# Altium PCB Prom21_Oculink_GPU_Ver0.1.PcbDoc (part 2 of 2)
Units mm, origin at the board's own origin, x right, y up, seen from the top; angles counter-clockwise.
Board outline 61.67 x 99.98 mm, 6 copper layers (Top Layer 1, Layer 1, Top Layer, Bottom Layer, Layer 2, Bottom Layer 1), stack 1.591 mm thick; 308 components, 320 nets, 1711 pads, 0 vias.
Unrouted connection lines stored in the file: 1033.
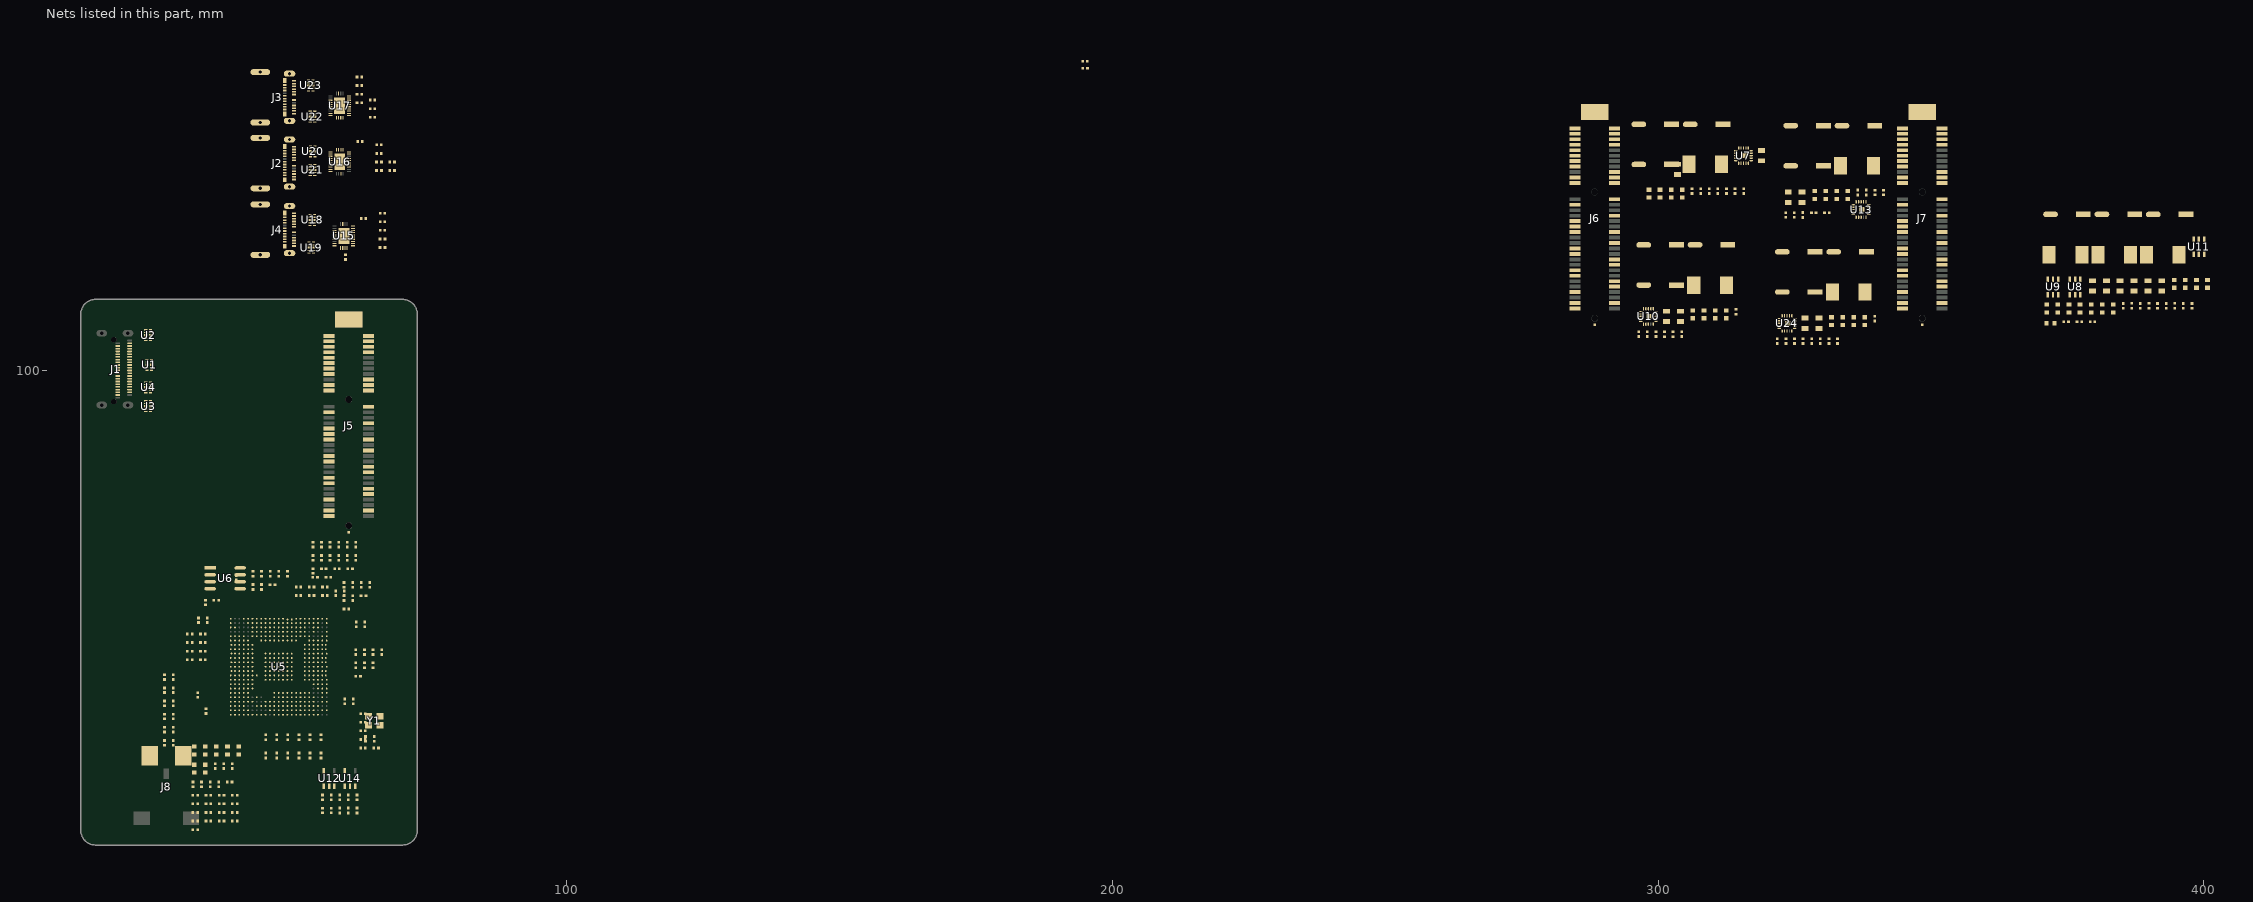
[diagram p4: the nets of this part, all layers, seen from the top]

## Part data
C1 C2 C3 C4 C5 C6 C7 C8 C9 C10 C11 C12 C13 C14 C15 C16 C17 C18 C19 C20 C21 C22 C23 C24 C25 C26 C27 C28 C29 C30 C31 C32 C33 C34 C35 C36 C37 C38 C39 C40 C41 C42 C43 C44 C45 C46 C47 C48 C49 C50 C51 C52 C53 C54 C55 C56 C57 C58 C59 C60 C61 C62 C63 C64 C65 C66 C67 C68 C69 C70 C71 C72 C73 C74 C75 C76 C77 C78 C79 C80 C81 C82 C83 C84 C85 C86 C87 C88 C89 C90 C91 C92 C93 C94 C95 C96 C97 C98 C99 C100 C101 C102 C103 C104 C105 C106 C107 C108 C109 C110 C111 C112 C113 C114 C115 C116 C117 C118 C119 C120 C121 C122 C123 C124 C125 C126 C127 C128 C129 C130 C131 C132 C133 C134 C135 C136 C137 C138 C139 C140 C141 C142 C143 C144 C145 C146 C147 C148 C149 C150: library part C, "无极性贴片电容", BOM名称=无极性贴片电容, 学习资源=www.ooocke.com, 材质=X7R, 版权归属=源创客
E1 E2 E3 E4 E5 E6 E7 E8 E9 E10 E11 E12 E13 E14 E15: library part C-CAP, "贴片电解电容", BOM名称=直插电解电容, 学习资源=www.ooocke.com, 版权归属=源创客
J2 J3 J4: library part "Typec 24p", "USB-C (USB TYPE-C) USB 3.2 Gen 2 (USB 3.1 Gen 2, Superspeed + (USB 3.1)) Receptacle Connector 24 Position Surface Mount, Right Angle; Through Hole", Package=None, Check_prices=https://www.snapeda.com/parts/1054500101/Molex/view-part/?ref=eda, MF=Molex, MP=1054500101, SnapEDA_Link=https://www.snapeda.com/parts/1054500101/Molex/view-part/?ref=snap
L1 L2 L3 L4 L5 L6 L7: library part L, "小功率贴片电感", BOM名称=小功率贴片电感, 学习资源=www.ooocke.com, 版权归属=源创客
R1 R2 R3 R4 R5 R6 R7 R8 R9 R10 R11 R12 R13 R14 R15 R16 R17 R18 R19 R20 R21 R22 R23 R24 R25 R26 R27 R28 R29 R30 R31 R32 R33 R34 R35 R36 R37 R38 R39 R40 R41 R42 R43 R44 R45 R46 R47 R48 R49 R50 R51 R52 R53 R54 R55 R56 R57 R58 R59 R60 R61 R62 R63 R64 R65 R66 R67 R68 R69 R70 R71 R72 R73 R74 R75 R76 R77 R78 R79 R80 R81 R82 R83 R84 R85 R86 R87 R88 R89 R90 R91 R92 R93 R94 R95 R96 R97 R98 R99 R100 R101 R102: library part R, "贴片电阻", BOM名称=贴片电阻, 学习资源=www.ooocke.com, 版权归属=源创客
U1 U2 U3 U4: library part TPD4E02B04, "ESD"
U5: "AMD B650", AddInBom=yes, ConvertToPcb=yes, Device=PROM21, FootprintName=PROM21, Relevance=|, SymbolName=PROM21
U6: library part P25D40H
U7 U10 U13 U24: "功能类型:降压型;输出类型:可调;输入电压:4.5V~18V;输出电压:600mV~5.5V;输出电流(最大值):12A;", Input Voltage=4.5V~18V, JLCPCB Part Class=扩展库, Manufacturer=TI(德州仪器), Operating Temperature=-40℃~+125℃@(TJ), Output Current (Max)=12A, Output Voltage=600mV~5.5V, Switching Frequency=500kHz, AddInBom=yes, ConvertToPcb=yes, Datasheet=https://www.ti.com/cn/lit/gpn/tps56c230, Device=TPS56C230RJER, FootprintName=VQFN-20_L3.0-W3.0-P0.45-TL-EP_TI_RJE, Function=降压型, LCSC Part Name=TPS56C230RJER, ManufacturerPart=TPS56C230RJER, ModelId=a0d54152b84047e092cea8f9e273e78e, ModelName=VQFN-20_L3.0-W3.0-P0.45-TL-EP_TI_RJE, ModelTransform=118.8974,118.8974,0,0,0,0,0,0,0, Number of Outputs=1, Output Type=可调, Supplier=LCSC, Supplier Footprint=VQFN-20-EP(3x3), SupplierPart=C1849534, Switch tube (built-in/external)=内置, Symbol=TPS56C230RJER, Synchronous Rectification=是, Topology=降压式
U8 U9 U11: "功能类型:降压型;输出类型:可调;输入电压:4.5V~17V;输出电压:600mV~7V;输出电流(最大值):5A;", Input Voltage=4.5V~17V, JLCPCB Part Class=扩展库, Manufacturer=TI(德州仪器), Operating Temperature=-40℃~+125℃@(TJ), Output Current (Max)=5A, Output Voltage=600mV~7V, Switching Frequency=500kHz, AddInBom=yes, ConvertToPcb=yes, Device=TPS565201DDCR, FootprintName=TSOT-23-6_L2.9-W1.6-P0.95-LS2.8-BL, Function=降压型, LCSC Part Name=TPS565201DDCR, ManufacturerPart=TPS565201DDCR, ModelId=2c4039b5b88644c1bda4b4ba9e971667, ModelName=TSOT-23-6_L2.9-W1.6-H1.1-LS2.8-P0.95, ModelTransform=110.236,114.173,0,90,0,0,0,0,0, Number of Outputs=1, Output Type=可调, Supplier=LCSC, Supplier Footprint=TSOT-23-6, SupplierPart=C327676, Switch tube (built-in/external)=内置, SymbolName=TPS565201DDCR, Synchronous Rectification=是, Topology=降压式
U12 U14: library part LP5907_MFX, "SOT-23-5"
U18 U19 U20 U21 U22 U23: "ESD"
Y1: library part Crystal

## Nets (pads, with @x,y where several pads share a name; then routed paths per layer and width w, separated by ;. In a path a pad name is that pad's centre, name@x,y a point inside that pad or via, vN(x,y) a via of type N, cw(c..) or ccw(c..) an arc to the next point about the centre after c; other vN are vias at no path point)
BP_TYPE: J1.B9 R1.2
CAP_DPE_TX0_N: C45.2 U5.K23
CAP_DPE_TX0_P: C44.2 U5.K22
CAP_DPE_TX1_N: C47.2 U5.L23
CAP_DPE_TX1_P: C46.2 U5.L22
CAP_DPE_TX2_N: C49.2 U5.N23
CAP_DPE_TX2_P: C48.2 U5.N22
CAP_DPE_TX3_N: C51.2 U5.P23
CAP_DPE_TX3_P: C50.2 U5.P22
CAP_DPE_TX4_N: C55.2 U5.A8
CAP_DPE_TX4_P: C54.2 U5.B8
CAP_DPE_TX5_N: C59.2 U5.A9
CAP_DPE_TX5_P: C57.2 U5.B9
CAP_DPE_TX6_N: C62.2 U5.A11
CAP_DPE_TX6_P: C60.2 U5.B11
CAP_DPE_TX7_N: C65.2 U5.A12
CAP_DPE_TX7_P: C64.2 U5.B12
CAP_DPE_TX8_N: C69.2 U5.A14
CAP_DPE_TX8_P: C68.2 U5.B14
CAP_DPE_TX9_N: C73.2 U5.A15
CAP_DPE_TX9_P: C71.2 U5.B15
CAP_DPE_TX10_N: C76.2 U5.G23
CAP_DPE_TX10_P: C74.2 U5.G22
CAP_DPE_TX11_N: C79.2 U5.H23
CAP_DPE_TX11_P: C78.2 U5.H22
Cap_SS0_TX_N: C53.2 U5.AC12
Cap_SS0_TX_P: C52.2 U5.AB12
Cap_SS1_TX_N: C58.2 U5.AB13
Cap_SS1_TX_P: C56.2 U5.AC13
Cap_SS2_TX_N: C63.2 U5.AC15
Cap_SS2_TX_P: C61.2 U5.AB15
Cap_SS3_TX_N: C67.2 U5.AC16
Cap_SS3_TX_P: C66.2 U5.AB16
Cap_SS4_TX_N: C72.2 U5.AC18
Cap_SS4_TX_P: C70.2 U5.AB18
Cap_SS5_TX_N: C77.2 U5.AC19
Cap_SS5_TX_P: C75.2 U5.AB19
CAP_UPE_TX0_N: C11.2 U5.G1
CAP_UPE_TX0_P: C10.2 U5.G2
CAP_UPE_TX1_N: C13.2 U5.J1
CAP_UPE_TX1_P: C12.2 U5.J2
CAP_UPE_TX2_N: C15.2 U5.L1
CAP_UPE_TX2_P: C14.2 U5.L2
CAP_UPE_TX3_N: C25.2 U5.N1
CAP_UPE_TX3_P: C16.2 U5.N2
CC_IND0: R55.2 U5.AB10
CLK_SRC: R3.2 R4.1 U5.E19
CLKREQ0: R33.2 U5.AB22
CLKREQ1: R34.2 U5.AA21
CLKREQ2: R35.2 U5.V22
CLKREQ3: R36.2 U5.AC21
CLKREQ4: R37.2 U5.W22
CLKREQ5: R38.2 U5.Y23
CPRSNT#: J1.A13 R2.2
DPE_RX0_N: U5.K19
DPE_RX0_P: U5.K20
DPE_RX1_N: U5.L19
DPE_RX1_P: U5.L20
DPE_RX2_N: U5.N19
DPE_RX2_P: U5.N20
DPE_RX3_N: U5.P19
DPE_RX3_P: U5.P20
DPE_RX4_N: U5.E8
DPE_RX4_P: U5.D8
DPE_RX5_N: U5.E9
DPE_RX5_P: U5.D9
DPE_RX6_N: U5.E11
DPE_RX6_P: U5.D11
DPE_RX7_N: U5.E12
DPE_RX7_P: U5.D12
DPE_RX8_N: U5.E14
DPE_RX8_P: U5.D14
DPE_RX9_N: U5.E15
DPE_RX9_P: U5.D15
DPE_RX10_N: U5.G19
DPE_RX10_P: U5.G20
DPE_RX11_N: U5.H19
DPE_RX11_P: U5.H20
DPE_TX0_N: C45.1
DPE_TX0_P: C44.1
DPE_TX1_N: C47.1
DPE_TX1_P: C46.1
DPE_TX2_N: C49.1
DPE_TX2_P: C48.1
DPE_TX3_N: C51.1
DPE_TX3_P: C50.1
DPE_TX4_N: C55.1
DPE_TX4_P: C54.1
DPE_TX5_N: C59.1
DPE_TX5_P: C57.1
DPE_TX6_N: C62.1
DPE_TX6_P: C60.1
DPE_TX7_N: C65.1
DPE_TX7_P: C64.1
DPE_TX8_N: C69.1
DPE_TX8_P: C68.1
DPE_TX9_N: C73.1
DPE_TX9_P: C71.1
DPE_TX10_N: C76.1
DPE_TX10_P: C74.1
DPE_TX11_N: C79.1
DPE_TX11_P: C78.1
G0S0: R5.2 R6.1 U5.C2
G1S0: R7.2 R8.1 U5.E18
G1S1: R16.2 R17.1 U5.AB23
G1S2: R24.2 R25.1 U5.A22
G2S1: R18.2 R19.1 U5.C1
G2S2: R26.2 R27.1 U5.B1
GND: C1.2 C2.2 C3.2 C4.2 C5.2 C6.2 C7.2 C8.2 C9.2 C17.2 C18.2 C19.2 C20.2 C21.1 C22.2 C23.2 C24.2 C26.1 C27.2 C28.1 C29.2 C30.2 C31.2 C32.2 C33.2 C34.1 C35.1 C36.1 C37.1 C38.1 C39.2 C40.2 C41.2 C42.2 C43.1 C81.1 C82.1 C83.1 C84.1 C85.1 C86.1 C87.1 C88.1 C90.1 C91.1 C92.1 C93.1 C95.1 C96.1 C97.1 C98.1 C99.1 C100.1 C101.1 C102.1 C104.1 C105.1 C106.1 C107.1 C108.1 C109.1 C110.1 C111.1 C113.1 C114.1 C115.1 C116.1 C117.1 C118.1 C119.1 C120.2 C121.1 C122.2 C123.1 C124.1 C125.1 C126.1 C127.1 C128.1 C130.1 C131.2 C132.1 C133.2 C134.1 C135.1 C136.1 C137.1 C138.1 C139.1 C140.1 C141.1 C142.1 C143.1 C144.1 C145.1 C146.1 C147.1 C149.1 C150.1 E1.2 E2.2 E3.2 E4.2 E5.2 E6.2 E7.2 E8.2 E9.2 E10.2 E11.2 E12.2 E13.2 E14.2 E15.2 J1.A2 J1.A5 J1.A8 J1.A11 J1.A14 J1.A17 J1.A20 J1.B2 J1.B5 J1.B8 J1.B11 J1.B14 J1.B17 J1.B20 J2.A1 J2.A12 J2.B1 J2.B12 J2.SH1 J2.SH2 J2.SH3 J2.SH4 J3.A1 J3.A12 J3.B1 J3.B12 J3.SH1 J3.SH2 J3.SH3 J3.SH4 J4.A1 J4.A12 J4.B1 J4.B12 J4.SH1 J4.SH2 J4.SH3 J4.SH4 J5.A4 J5.A12 J5.A15 J5.A18 J5.A20 J5.A23 J5.A24 J5.A27 J5.A28 J5.A31 J5.B4 J5.B7 J5.B13 J5.B16 J5.B17 J5.B18 J5.B21 J5.B22 J5.B25 J5.B26 J5.B29 J5.B31 J5.B32 J5.SH1 J5.SH2 J6.A4 J6.A12 J6.A15 J6.A18 J6.A20 J6.A23 J6.A24 J6.A27 J6.A28 J6.A31 J6.B4 J6.B7 J6.B13 J6.B16 J6.B17 J6.B18 J6.B21 J6.B22 J6.B25 J6.B26 J6.B29 J6.B31 J6.B32 J6.SH1 J6.SH2 J7.A4 J7.A12 J7.A15 J7.A18 J7.A20 J7.A23 J7.A24 J7.A27 J7.A28 J7.A31 J7.B4 J7.B7 J7.B13 J7.B16 J7.B17 J7.B18 J7.B21 J7.B22 J7.B25 J7.B26 J7.B29 J7.B31 J7.B32 J7.SH1 J7.SH2 R1.1 R2.1 R3.1 R5.1 R7.1 R9.1 R12.1 R14.1 R16.1 R18.1 R20.1 R22.1 R24.1 R26.1 R28.1 R32.2 R33.1 R35.1 R37.1 R39.2 R40.2 R41.2 R45.2 R51.1 R56.1 R59.2 R61.1 R62.2 R64.2 R67.2 R69.1 R70.2 R75.1 R76.2 R77.1 R78.1 R79.1 R80.1 R81.1 R82.1 R86.1 R87.1 R88.1 R89.1 R90.1 R91.1 R96.1 R100.1 R101.2 R102.1 U1.3 U1.8 U2.3 U2.8 U3.3 U3.8 U4.3 U4.8 U5.A7 U5.A10 U5.A13 U5.A16 U5.AA11 U5.AA12 U5.AA13 U5.AA14 U5.AA15 U5.AA16 U5.AA17 U5.AA18 U5.AA19 U5.AA20 U5.AB3 U5.AB11 U5.AB14 U5.AB17 U5.AB20 U5.AC1 U5.AC11 U5.AC14 U5.AC17 U5.AC20 U5.B7 U5.B10 U5.B13 U5.B16 U5.C8 U5.C9 U5.C10 U5.C11 U5.C12 U5.C13 U5.C14 U5.C15 U5.C16 U5.C17 U5.C18 U5.C20 U5.C21 U5.D10 U5.D13 U5.D16 U5.E7 U5.E10 U5.E13 U5.E16 U5.F1 U5.F2 U5.F3 U5.F4 U5.F5 U5.F8 U5.F9 U5.F11 U5.F12 U5.F13 U5.F14 U5.F15 U5.F19 U5.F20 U5.F21 U5.F22 U5.F23 U5.G3 U5.G6 U5.G18 U5.G21 U5.H1 U5.H2 U5.H3 U5.H4 U5.H5 U5.H6 U5.H18 U5.H21 U5.J3 U5.J6 U5.J18 U5.J19 U5.J20 U5.J21 U5.J22 U5.J23 U5.K1 U5.K2 U5.K3 U5.K4 U5.K5 U5.K6 U5.K12 U5.K18 U5.K21 U5.L3 U5.L6 U5.L11 U5.L13 U5.L18 U5.L21 U5.M1 U5.M2 U5.M3 U5.M4 U5.M5 U5.M6 U5.M10 U5.M12 U5.M14 U5.M18 U5.M19 U5.M20 U5.M21 U5.M22 U5.M23 U5.N3 U5.N6 U5.N11 U5.N13 U5.N18 U5.N21 U5.P1 U5.P2 U5.P3 U5.P4 U5.P5 U5.P6 U5.P12 U5.P18 U5.P21 U5.R19 U5.R20 U5.R21 U5.R22 U5.R23 U5.T20 U5.T21 U5.U3 U5.U21 U5.V1 U5.V5 U5.V11 U5.V12 U5.V13 U5.V14 U5.V15 U5.V16 U5.V17 U5.V18 U5.V19 U5.W4 U5.W5 U5.W11 U5.W14 U5.W17 U5.W20 U5.Y2 U5.Y11 U5.Y14 U5.Y17 U5.Y20 U6.4 U7.7 U7.8 U7.10 U7.13 U7.16 U7.18 U7.21 U8.1 U9.1 U10.7 U10.8 U10.10 U10.13 U10.16 U10.18 U10.21 U11.1 U12.2 U13.7 U13.8 U13.10 U13.13 U13.16 U13.18 U13.21 U14.2 U15.19 U15.29 U16.19 U16.29 U17.19 U17.29 U18.3 U18.8 U19.3 U19.8 U20.3 U20.8 U21.3 U21.8 U22.3 U22.8 U23.3 U23.8 U24.7 U24.8 U24.10 U24.13 U24.16 U24.18 U24.21 Y1.2 Y1.4
NetC80_1: C80.1 L2.1 U8.2
NetC80_2: C80.2 U8.6
NetC89_1: C89.1 U7.1
NetC89_2: C89.2 L1.1 U7.6 U7.19 U7.20
NetC94_1: C94.1 L3.1 U9.2
NetC94_2: C94.2 U9.6
NetC95_2: C95.2 U7.11
NetC96_2: C96.2 R60.1 U7.17
NetC103_1: C103.1 L5.1 U11.2
NetC103_2: C103.2 U11.6
NetC112_1: C112.1 U10.1
NetC112_2: C112.2 L4.1 U10.6 U10.19 U10.20
NetC117_2: C117.2 U10.11
NetC118_2: C118.2 R68.1 U10.17
NetC129_1: C129.1 U13.1
NetC129_2: C129.2 L6.1 U13.6 U13.19 U13.20
NetC134_2: C134.2 U13.11
NetC135_2: C135.2 R74.1 U13.17
NetC148_1: C148.1 U24.1
NetC148_2: C148.2 L7.1 U24.6 U24.19 U24.20
NetC149_2: C149.2 U24.11
NetC150_2: C150.2 R99.1 U24.17
NetR11_1: R11.1 U5.V23
NetR30_2: R30.2 U6.3
NetR31_1: R31.1 U6.7
NetR32_1: R32.1 U5.Y22
NetR39_1: R39.1 U5.A23
NetR40_1: R40.1 U5.D23
NetR41_1: R41.1 U5.E3
NetR45_1: R45.1 U5.E4
NetR52_1: R52.1 R56.2 U5.AB5
NetR57_2: R57.2 R59.1 U8.4
NetR58_2: R58.2 R62.1 U7.14
NetR60_2: R60.2 R61.2 U7.15
NetR63_2: R63.2 R64.1 U9.4
NetR65_2: R65.2 R67.1 U11.4
NetR66_2: R66.2 R70.1 U10.14
NetR68_2: R68.2 R69.2 U10.15
NetR71_1: R71.1 U12.3
NetR72_2: R72.2 R76.1 U13.14
NetR73_1: R73.1 U14.3
NetR74_2: R74.2 R75.2 U13.15
NetR77_2: R77.2 U15.23
NetR78_2: R78.2 U16.23
NetR79_2: R79.2 U17.23
NetR80_2: R80.2 U15.24
NetR81_2: R81.2 U16.24
NetR82_2: R82.2 U17.24
NetR83_1: R83.1 U15.25
NetR84_1: R84.1 U16.25
NetR85_1: R85.1 U17.25
NetR86_2: R86.2 U15.13
NetR87_2: R87.2 U16.13
NetR88_2: R88.2 U17.13
NetR89_2: R89.2 U15.10
NetR90_2: R90.2 U16.10
NetR91_2: R91.2 U17.10
NetR92_2: R92.2 U8.5
NetR93_2: R93.2 U9.5
NetR94_2: R94.2 U11.5
NetR95_1: R95.1 R96.2 U13.12
NetR97_2: R97.2 R101.1 U24.14
NetR98_1: R98.1 R102.2 U24.12
NetR99_2: R99.2 R100.2 U24.15
OSCIN: C34.2 U5.T22 Y1.1
OSCOUT: C43.2 U5.T23 Y1.3
PCIE_SSC_EN: R28.2 R29.1 U5.D18
PERSNT#: J1.A12 J5.A11 J6.A11 J7.A11 U5.AC5
PGND: J8.2
PRSNT#: J5.A1 J6.A1 J7.A1
PWR_GD: U5.U22
REFCLK0_N: U5.B21
REFCLK0_P: U5.A21
REFCLK1_N: U5.B20
REFCLK1_P: U5.A20
REFCLK2_N: U5.B19
REFCLK2_P: U5.A19
REFCLK3_N: U5.E17
REFCLK3_P: U5.D17
REFCLK4_N: U5.B18
REFCLK4_P: U5.A18
REFCLK5_N: U5.B17
REFCLK5_P: U5.A17
RST: U5.AC7
SATA_SSC_EN: R20.2 R21.1 U5.B23
SMDAT: J1.A10 J5.B6 J6.B6 J7.B6
SMSCK: J1.A9 J5.B5 J6.B5 J7.B5
SPI_CS: U5.E1 U6.1
SPI_SCK-G2S0: R9.2 R10.1 U5.A1 U6.6
SPI_SDI-G0S1: R14.2 R15.1 U5.A4 U6.2
SPI_SDO-G0S2: R22.2 R23.1 U5.E2 U6.5
SS0_RX_N: U5.Y12 U15.18
SS0_RX_P: U5.W12 U15.17
SS0_TX_N: C53.1 U15.21
SS0_TX_P: C52.1 U15.20
SS1_RX_N: U5.W13 U16.18
SS1_RX_P: U5.Y13 U16.17
SS1_TX_N: C58.1 U16.21
SS1_TX_P: C56.1 U16.20
SS2_RX_N: U5.Y15 U17.18
SS2_RX_P: U5.W15 U17.17
SS2_TX_N: C63.1 U17.21
SS2_TX_P: C61.1 U17.20
SS3_RX_N: U5.Y16
SS3_RX_P: U5.W16
SS3_TX_N: C67.1
SS3_TX_P: C66.1
SS4_RX_N: U5.Y18
SS4_RX_P: U5.W18
SS4_TX_N: C72.1
SS4_TX_P: C70.1
SS5_RX_N: U5.Y19
SS5_RX_P: U5.W19
SS5_TX_N: C77.1
SS5_TX_P: C75.1
STATUS0: R53.2 U5.AA10
STATUS1: R54.2 U5.Y10
UPE_REFCLK_N: U5.E22
UPE_REFCLK_P: J1.B12 J1.B13 U5.E23
UPE_RX0_N: J1.B3 U2.1 U2.10 U5.G5
UPE_RX0_P: J1.B4 U2.2 U2.9 U5.G4
UPE_RX1_N: J1.B7 U2.5 U2.6 U5.J5
UPE_RX1_P: J1.B6 U2.4 U2.7 U5.J4
UPE_RX2_N: J1.B16 U4.2 U4.9 U5.L5
UPE_RX2_P: J1.B15 U4.1 U4.10 U5.L4
UPE_RX3_N: J1.B18 U4.4 U4.7 U5.N5
UPE_RX3_P: J1.B19 U4.5 U4.6 U5.N4
UPE_TX0_N: C11.1 J1.A3 U1.2 U1.9
UPE_TX0_P: C10.1 J1.A4 U1.1 U1.10
UPE_TX1_N: C13.1 J1.A7 U1.5 U1.6
UPE_TX1_P: C12.1 J1.A6 U1.4 U1.7
UPE_TX2_N: C15.1 J1.A16 U3.2 U3.9
UPE_TX2_P: C14.1 J1.A15 U3.1 U3.10
UPE_TX3_N: C25.1 J1.A18 U3.5 U3.6
UPE_TX3_P: C16.1 J1.A19 U3.4 U3.7
UREXT: R51.2 U5.U23
USB0_D_N: J2.A7 J2.B7 J3.A7 J3.B7 J4.A7 J4.B7 U5.U2
USB0_D_P: J2.A6 J2.B6 J3.A6 J3.B6 J4.A6 J4.B6 U5.U1
USB0_IN_CC1: J2.A5 J3.A5 J4.A5 U15.1
USB0_IN_CC2: J2.B5 J3.B5 J4.B5 U15.28
USB0_RX1_N: J2.B10 J3.B10 J4.B10 U15.7 U19.2 U19.9
USB0_RX1_P: J2.B11 J3.B11 J4.B11 U15.6 U19.1 U19.10
USB0_RX2_N: J2.A11 J3.A11 J4.A11 U15.8 U19.4 U19.7
USB0_RX2_P: J2.A10 J3.A10 J4.A10 U15.9 U19.5 U19.6
USB0_TX1_N: J2.A3 J3.A3 J4.A3 U15.3 U18.4 U18.7
USB0_TX1_P: J2.A2 J3.A2 J4.A2 U15.2 U18.5 U18.6
USB0_TX2_N: J2.B3 J3.B3 J4.B3 U15.4 U18.2 U18.9
USB0_TX2_P: J2.B2 J3.B2 J4.B2 U15.5 U18.1 U18.10
USB1_D_N: U5.U4
USB1_D_P: U5.U5
USB1_IN_CC1: U16.1
USB1_IN_CC2: U16.28
USB1_RX1_N: U16.7 U21.2 U21.9
USB1_RX1_P: U16.6 U21.1 U21.10
USB1_RX2_N: U16.8 U21.4 U21.7
USB1_RX2_P: U16.9 U21.5 U21.6
USB1_TX1_N: U16.3 U20.4 U20.7
USB1_TX1_P: U16.2 U20.5 U20.6
USB1_TX2_N: U16.4 U20.2 U20.9
USB1_TX2_P: U16.5 U20.1 U20.10
USB2_D_N: U5.W1
USB2_D_P: U5.V2
USB2_IN_CC1: U17.1
USB2_IN_CC2: U17.28
USB2_RX1_N: U17.7 U23.2 U23.9
USB2_RX1_P: U17.6 U23.1 U23.10
USB2_RX2_N: U17.8 U23.4 U23.7
USB2_RX2_P: U17.9 U23.5 U23.6
USB2_TX1_N: U17.3 U22.4 U22.7
USB2_TX1_P: U17.2 U22.5 U22.6
USB2_TX2_N: U17.4 U22.2 U22.9
USB2_TX2_P: U17.5 U22.1 U22.10
USB3_D_N: U5.V4
USB3_D_P: U5.V3
USB4_D_N: U5.W2
USB4_D_P: U5.Y1
USB5_D_N: U5.AA1
USB5_D_P: U5.AA2
USB6_D_N: U5.W3
USB6_D_P: U5.Y3
USB7_D_N: U5.AB2
USB7_D_P: U5.AB1
USB8_D_N: U5.Y5
USB8_D_P: U5.Y4
USB9_D_N: U5.AA3
USB9_D_P: U5.AA4
USB10_D_N: U5.AC2
USB10_D_P: U5.AC3
USB11_D_N: U5.AC4
USB11_D_P: U5.AB4
USB_OC0: R42.2 U5.AC9
USB_OC1: R43.2 U5.W7
USB_OC2: R44.2 U5.Y6
USB_OC3: R46.2 U5.AC8
USB_OC4: R47.2 U5.Y9
USB_OC5: R48.2 U5.AA8
USB_OC6: R49.2 U5.AA7
USB_OC7: R50.2 U5.AA9
USB_SSC_EN: R12.2 R13.1 U5.D20
VCC1.05V: C2.1 C3.1 C4.1 C5.1 C6.1 C7.1 C8.1 C9.1 C21.2 C22.1 C23.1 C24.1 C83.2 C84.2 C85.2 C86.2 E2.1 E3.1 L1.2 R58.1 U5.J12 U5.K10 U5.K11 U5.K13 U5.K14 U5.L10 U5.L12 U5.L14 U5.M11 U5.M13 U5.N9 U5.N10 U5.N12 U5.N14 U5.P9 U5.P10 U5.P11 U5.P13 U5.P14 U5.R1 U5.R2 U5.R3 U5.R4 U5.R5 U5.R6 U5.R15 U5.T1 U5.T2 U5.T3 U5.T4 U5.T5 U5.T6
VCC1.05V_PGOOD: U7.9
VCC1.8V: C17.1 C18.1 C19.1 C20.1 C28.2 C29.1 C30.1 C31.1 C32.1 C33.1 C106.2 C107.2 C108.2 C109.2 E7.1 E8.1 L4.2 R66.1 U5.A5 U5.A6 U5.B5 U5.B6 U5.C6 U5.C7 U5.D6 U5.D7 U5.E6 U5.J9 U5.J10 U5.J11 U5.J13 U5.J14 U5.J15 U5.K9 U5.K15 U5.L9 U5.L15 U5.M9 U5.M15 U5.N15 U5.P15 U5.R9 U5.R10 U5.R11 U5.R12 U5.R13 U5.R14
VCC3.3V: C144.2 C145.2 C146.2 C147.2 E14.1 E15.1 J5.A9 J5.A10 J5.B8 J5.B10 J6.A9 J6.A10 J6.B8 J6.B10 J7.A9 J7.A10 J7.B8 J7.B10 L7.2 R97.1
VCC3.3V-GPU1: C90.2 C91.2 C92.2 C93.2 E4.1 L2.2 R57.1
VCC3.3V-GPU2: C99.2 C100.2 C101.2 C102.2 E5.1 L3.2 R63.1
VCC3.3V-GPU3: C113.2 C114.2 C115.2 C116.2 E9.1 L5.2 R65.1
VCC5.0V: C119.2 C120.1 C125.2 C126.2 C127.2 C128.2 C130.2 C131.1 C136.2 C137.2 C138.2 C139.2 C140.2 C141.2 E11.1 E12.1 J2.A4 J2.A9 J2.B4 J2.B9 J3.A4 J3.A9 J3.B4 J3.B9 J4.A4 J4.A9 J4.B4 J4.B9 L6.2 R71.2 R72.1 R73.2 R83.2 R84.2 R85.2 U12.1 U14.1 U15.26 U15.27 U16.26 U16.27 U17.26 U17.27
VCC12V: C81.2 C82.2 C87.2 C88.2 C97.2 C98.2 C104.2 C105.2 C110.2 C111.2 C123.2 C124.2 C142.2 C143.2 E1.1 E6.1 E10.1 E13.1 J5.A2 J5.A3 J5.B1 J5.B2 J5.B3 J6.A2 J6.A3 J6.B1 J6.B2 J6.B3 J7.A2 J7.A3 J7.B1 J7.B2 J7.B3 J8.1 R92.1 R93.1 R94.1 R95.2 R98.2 U7.2 U7.3 U7.4 U7.5 U8.3 U9.3 U10.2 U10.3 U10.4 U10.5 U11.3 U13.2 U13.3 U13.4 U13.5 U24.2 U24.3 U24.4 U24.5
VSUS1.05V: C26.2 C27.1 C121.2 C122.1 U5.U6 U12.5
VSUS3.3V: C1.1 C35.2 C36.2 C37.2 C38.2 C39.1 C40.1 C41.1 C42.1 C132.2 C133.1 R4.2 R6.2 R8.2 R10.2 R11.2 R13.2 R15.2 R17.2 R19.2 R21.2 R23.2 R25.2 R27.2 R29.2 R30.1 R31.2 R34.1 R36.1 R38.1 R42.1 R43.1 R44.1 R46.1 R47.1 R48.1 R49.1 R50.1 R52.2 R53.1 R54.1 R55.1 U5.F10 U5.F16 U5.P7 U5.R18 U6.8 U7.12 U10.12 U14.5
WAKE#: J1.B10 J5.B11 J6.B11 J7.B11 U5.AC6
pads on no net: J1. J1.A1 J1.A21 J1.B1 J1.B21 J1.SH1 J1.SH2 J1.SH3 J1.SH4 J2.A8 J2.B8 J3.A8 J3.B8 J4.A8 J4.B8 J5. J5.A5 J5.A6 J5.A7 J5.A8 J5.A13 J5.A14 J5.A16 J5.A17 J5.A19 J5.A21 J5.A22 J5.A25 J5.A26 J5.A29 J5.A30 J5.A32 J5.B9 J5.B12 J5.B14 J5.B15 J5.B19 J5.B20 J5.B23 J5.B24 J5.B27 J5.B28 J5.B30 J6. J6.A5 J6.A6 J6.A7 J6.A8 J6.A13 J6.A14 J6.A16 J6.A17 J6.A19 J6.A21 J6.A22 J6.A25 J6.A26 J6.A29 J6.A30 J6.A32 J6.B9 J6.B12 J6.B14 J6.B15 J6.B19 J6.B20 J6.B23 J6.B24 J6.B27 J6.B28 J6.B30 J7. J7.A5 J7.A6 J7.A7 J7.A8 J7.A13 J7.A14 J7.A16 J7.A17 J7.A19 J7.A21 J7.A22 J7.A25 J7.A26 J7.A29 J7.A30 J7.A32 J7.B9 J7.B12 J7.B14 J7.B15 J7.B19 J7.B20 J7.B23 J7.B24 J7.B27 J7.B28 J7.B30 J8.3 J8.4 J8.5 J9. J9.A1 J9.A2 J9.A3 J9.A4 J9.A5 J9.A6 J9.A7 J9.A8 J9.A9 J9.A10 J9.A11 J9.A12 J9.A13 J9.A14 J9.A15 J9.A16 J9.A17 J9.A18 J9.A19 J9.A20 J9.A21 J9.A22 J9.A23 J9.A24 J9.A25 J9.A26 J9.A27 J9.A28 J9.A29 J9.A30 J9.A31 J9.A32 J9.B1 J9.B2 J9.B3 J9.B4 J9.B5 J9.B6 J9.B7 J9.B8 J9.B9 J9.B10 J9.B11 J9.B12 J9.B13 J9.B14 J9.B15 J9.B16 J9.B17 J9.B18 J9.B19 J9.B20 J9.B21 J9.B22 J9.B23 J9.B24 J9.B25 J9.B26 J9.B27 J9.B28 J9.B29 J9.B30 J9.B31 J9.B32 J9.SH1 J9.SH2 U5.A2 U5.A3 U5.AA5 U5.AA6 U5.AA22 U5.AA23 U5.AB6 U5.AB7 U5.AB8 U5.AB9 U5.AB21 U5.AC10 U5.AC22 U5.AC23 U5.B2 U5.B3 U5.B4 U5.B22 U5.C3 U5.C4 U5.C5 U5.C19 U5.C22 U5.C23 U5.D1 U5.D2 U5.D3 U5.D4 U5.D5 U5.D19 U5.D21 U5.D22 U5.E5 U5.E20 U5.E21 U5.U20 U5.V20 U5.V21 U5.W6 U5.W8 U5.W21 U5.W23 U5.Y7 U5.Y8 U5.Y21 U10.9 U12.4 U13.9 U14.4 U15.11 U15.12 U15.14 U15.15 U15.16 U15.22 U16.11 U16.12 U16.14 U16.15 U16.16 U16.22 U17.11 U17.12 U17.14 U17.15 U17.16 U17.22 U24.9

## Polygon pours and split planes (outlines as drawn)
no net on Layer 1 (split plane): 70.125,112.43 70.315,112.405 70.501,112.363 70.684,112.306 70.86,112.233 71.03,112.144 71.191,112.042 71.343,111.925 71.484,111.796 71.613,111.655 71.729,111.504 71.832,111.342 71.92,111.173 71.994,110.996 72.051,110.814 72.092,110.627 72.117,110.438 72.125,110.261 72.124,110.247 72.124,18.298 72.124,15.667 72.125,15.653 72.117,15.476 72.092,15.286 72.051,15.1 71.994,14.917 71.92,14.741 71.832,14.571 71.729,14.41 71.613,14.258 71.484,14.117 71.343,13.988 71.191,13.872 71.03,13.769 70.86,13.681 70.684,13.608 70.501,13.55 70.315,13.509 70.125,13.484 69.948,13.476 69.934,13.477 13.664,13.477 13.65,13.476 13.473,13.484 13.283,13.509 13.097,13.55 12.914,13.608 12.738,13.681 12.568,13.769 12.407,13.872 12.255,13.988 12.114,14.117 11.985,14.258 11.869,14.41 11.766,14.571 11.678,14.741 11.604,14.917 11.547,15.1 11.506,15.286 11.481,15.476 11.473,15.653 11.474,15.667 11.474,110.247 11.473,110.261 11.481,110.438 11.506,110.627 11.547,110.814 11.604,110.996 11.678,111.173 11.766,111.342 11.869,111.504 11.985,111.655 12.114,111.796 12.255,111.925 12.407,112.042 12.568,112.144 12.738,112.233 12.914,112.306 13.097,112.363 13.283,112.405 13.473,112.43 13.65,112.437 13.664,112.436 69.934,112.436 69.948,112.437
no net on Layer 2 (split plane): 70.125,112.43 70.315,112.405 70.501,112.363 70.684,112.306 70.86,112.233 71.03,112.144 71.191,112.042 71.343,111.925 71.484,111.796 71.613,111.655 71.729,111.504 71.832,111.342 71.92,111.173 71.994,110.996 72.051,110.814 72.092,110.627 72.117,110.438 72.125,110.261 72.124,110.247 72.124,18.298 72.124,15.667 72.125,15.653 72.117,15.476 72.092,15.286 72.051,15.1 71.994,14.917 71.92,14.741 71.832,14.571 71.729,14.41 71.613,14.258 71.484,14.117 71.343,13.988 71.191,13.872 71.03,13.769 70.86,13.681 70.684,13.608 70.501,13.55 70.315,13.509 70.125,13.484 69.948,13.476 69.934,13.477 13.664,13.477 13.65,13.476 13.473,13.484 13.283,13.509 13.097,13.55 12.914,13.608 12.738,13.681 12.568,13.769 12.407,13.872 12.255,13.988 12.114,14.117 11.985,14.258 11.869,14.41 11.766,14.571 11.678,14.741 11.604,14.917 11.547,15.1 11.506,15.286 11.481,15.476 11.473,15.653 11.474,15.667 11.474,110.247 11.473,110.261 11.481,110.438 11.506,110.627 11.547,110.814 11.604,110.996 11.678,111.173 11.766,111.342 11.869,111.504 11.985,111.655 12.114,111.796 12.255,111.925 12.407,112.042 12.568,112.144 12.738,112.233 12.914,112.306 13.097,112.363 13.283,112.405 13.473,112.43 13.65,112.437 13.664,112.436 69.934,112.436 69.948,112.437

## Silkscreen, mask and mechanical layers (free items; w line width, h text height)
Mechanical 1:
  circle w0.013: c69.934,15.667 r1.3
  circle w0.013: c13.664,15.667 r1.3
  circle w0.013: c69.934,110.247 r1.3
  circle w0.013: c13.664,110.247 r1.3
  lines w0.013: 72.634,18.298 72.634,18.298 ; 72.634,18.298 72.634,15.667 cw(c69.934,15.667) 69.934,12.967 13.664,12.967 cw(c13.664,15.667) 10.964,15.667 10.964,110.247 cw(c13.664,110.247) 13.664,112.947 69.934,112.947 cw(c69.934,110.247) 72.634,110.247 72.634,18.298

## Text inside footprints (layer, text, board x,y; h text height)
J1: Mechanical 13 "PCB EDGE" at 11.314,103.851 h0.76 r270